# KiCad board CPU2908C.kicad_pcb (continued)
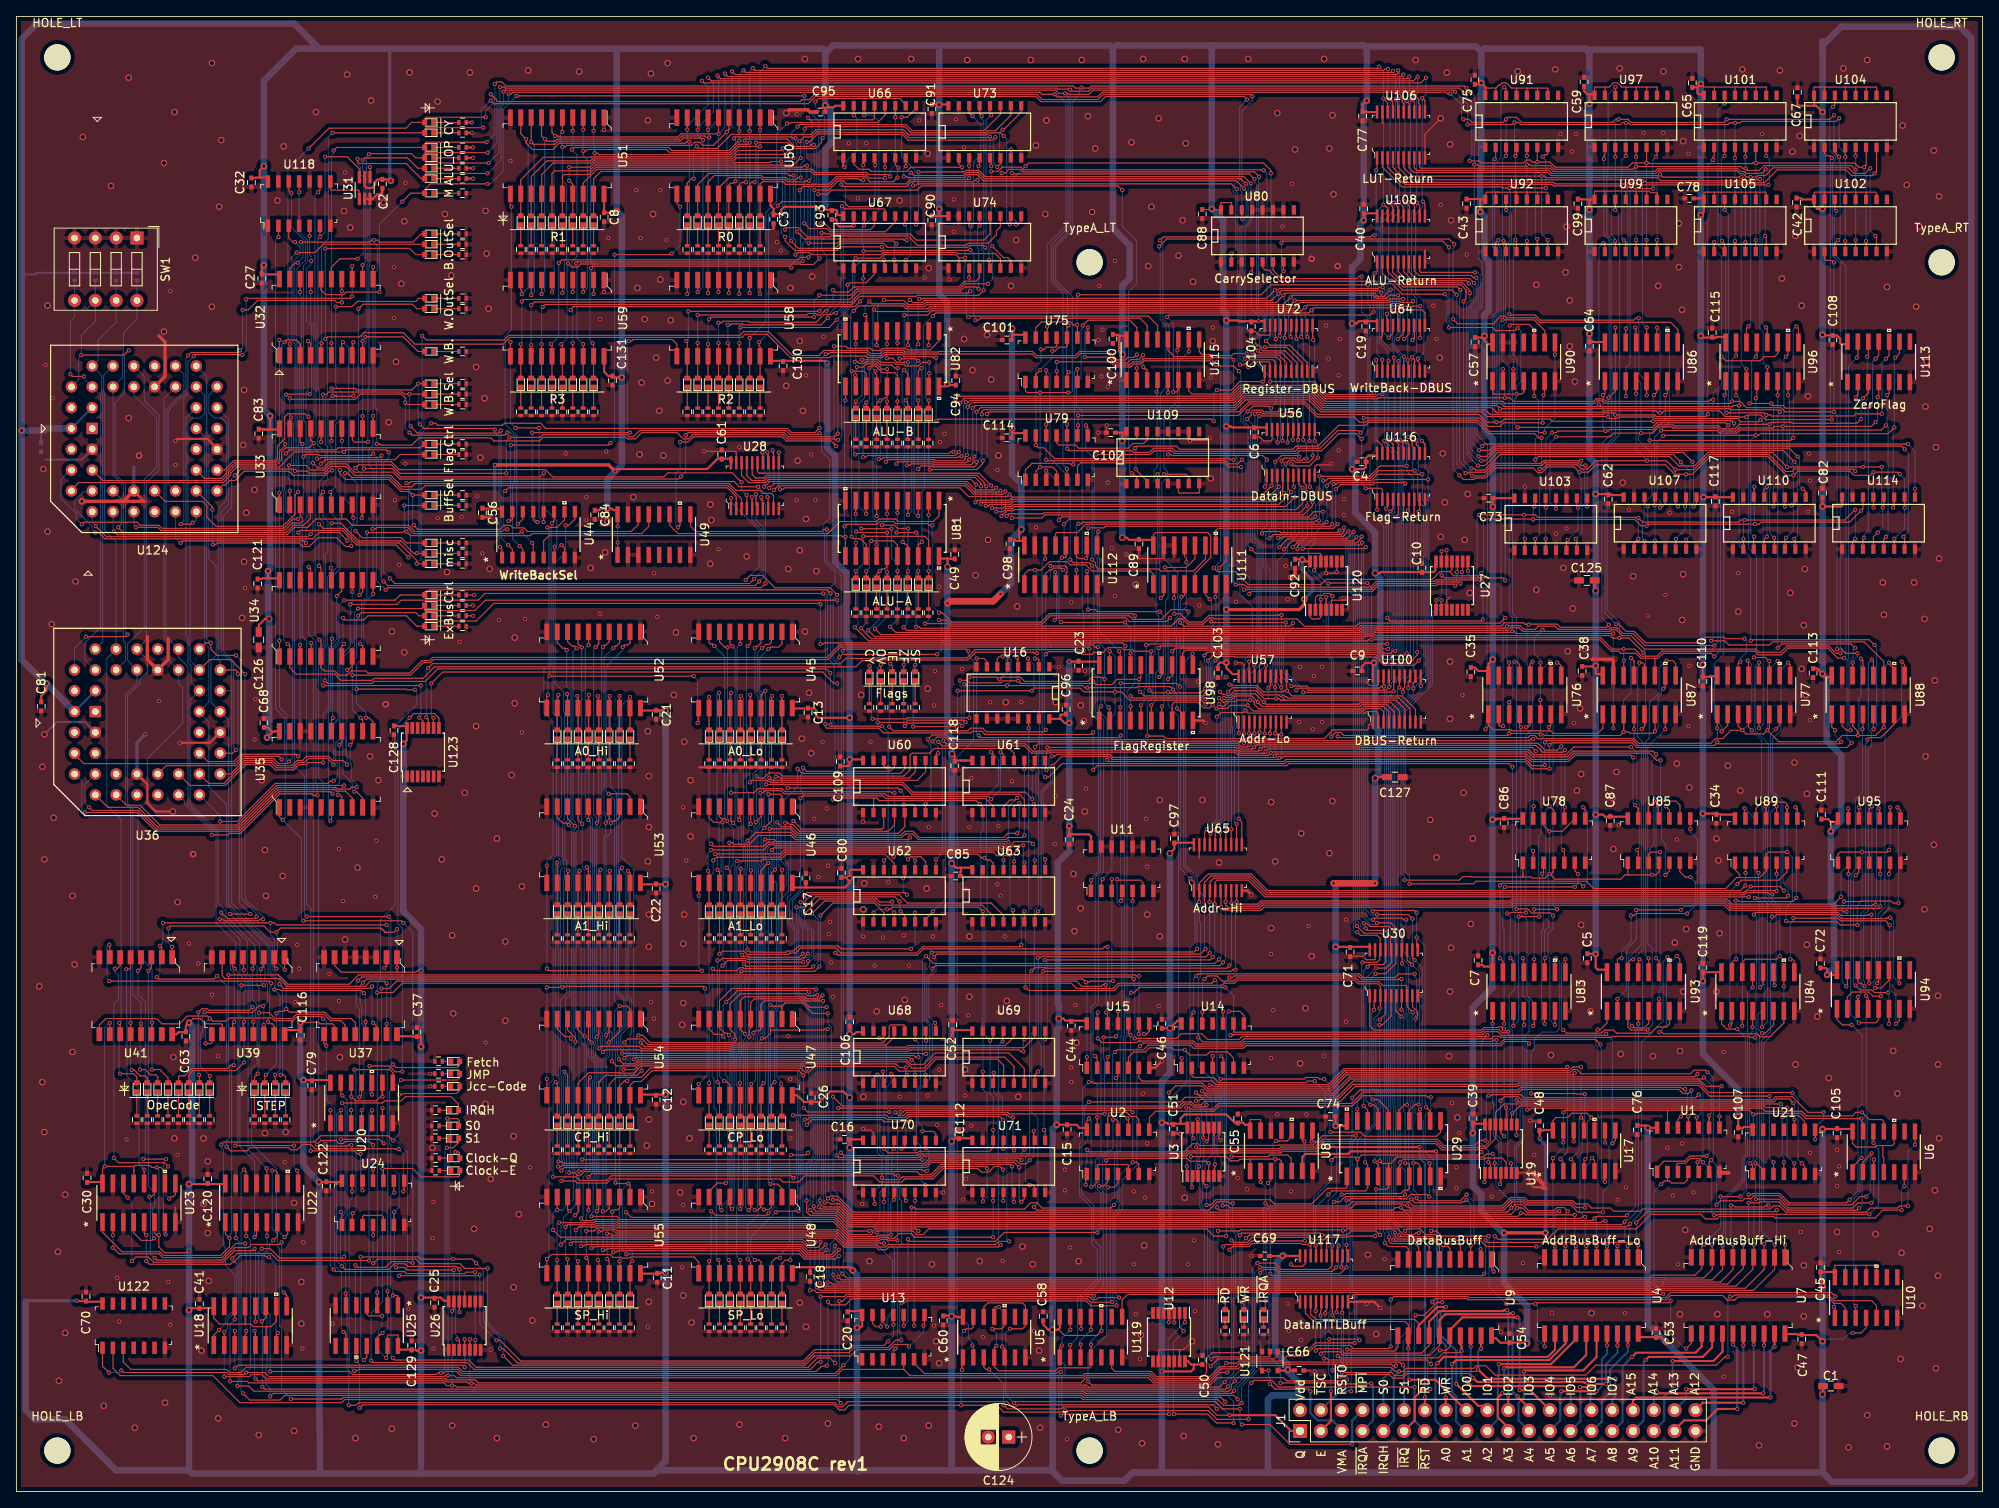
[diagram p0: board, top side]
## Routing (per net, layer and track width the routed paths; a pad name or vN(x,y) marks a point on that pad's centre or on a via; arc(x,y) is an arc through that point) (continued)
Net-(D80-Pad1): length 2.5
  Top w0.127: D80.1 66.01,89.34
Net-(D81-Pad1): length 2.5
  Top w0.127: D81.1 93.44,68
Net-(D82-Pad1): length 2.5
  Top w0.127: D82.1 92.17,68
Net-(D83-Pad1): length 2.5
  Top w0.127: D83.1 90.9,68
Net-(D84-Pad1): length 2.5
  Top w0.127: D84.1 89.63,68
Net-(D85-Pad1): length 2.5
  Top w0.127: D85.1 88.36,68
Net-(D86-Pad1): length 2.5
  Top w0.127: D86.1 87.09,68
Net-(D87-Pad1): length 2.5
  Top w0.127: D87.1 85.82,68
Net-(D88-Pad1): length 2.4
  Top w0.127: D88.1 84.55,68.13
Net-(D89-Pad1): length 2.5
  Top w0.127: D89.1 74.9,68
Net-(D90-Pad1): length 2.5
  Top w0.127: D90.1 73.63,68
Net-(D91-Pad1): length 2.5
  Top w0.127: D91.1 72.36,68
Net-(D92-Pad1): length 2.5
  Top w0.127: D92.1 71.09,68
Net-(D93-Pad1): length 2.5
  Top w0.127: D93.1 69.82,68
Net-(D94-Pad1): length 2.5
  Top w0.127: D94.1 68.55,68
Net-(D95-Pad1): length 2.5
  Top w0.127: D95.1 67.28,68
Net-(D96-Pad1): length 2.5
  Top w0.127: D96.1 66.01,68
Net-(D97-Pad1): length 2.5
  Top w0.127: D97.1 93.44,42.22
Net-(D98-Pad1): length 2.6
  Top w0.127: D98.1 92.17,42.09
Net-(D99-Pad1): length 2.5
  Top w0.127: D99.1 90.9,42.22
Net-(D100-Pad1): length 2.6
  Top w0.127: D100.1 89.63,42.09
Net-(D101-Pad1): length 2.6
  Top w0.127: D101.1 88.36,42.09
Net-(D102-Pad1): length 2.5
  Top w0.127: D102.1 87.09,42.22
Net-(D103-Pad1): length 2.6
  Top w0.127: D103.1 85.82,42.09
Net-(D104-Pad1): length 2.6
  Top w0.127: D104.1 84.55,42.09
Net-(D105-Pad1): length 2.6
  Top w0.127: D105.1 74.9,42.09
Net-(D106-Pad1): length 2.6
  Top w0.127: D106.1 73.63,42.09
Net-(D107-Pad1): length 2.6
  Top w0.127: D107.1 72.36,42.09
Net-(D108-Pad1): length 2.6
  Top w0.127: D108.1 71.09,42.09
Net-(D109-Pad1): length 2.6
  Top w0.127: D109.1 69.82,42.09
Net-(D110-Pad1): length 2.6
  Top w0.127: D110.1 68.55,42.09
Net-(D111-Pad1): length 2.5
  Top w0.127: D111.1 67.28,42.22
Net-(D112-Pad1): length 2.5
  Top w0.127: D112.1 66.01,42.22
Net-(D113-Pad1): length 2.5
  Top w0.127: D113.1 93.44,20.5
Net-(D114-Pad1): length 2.4
  Top w0.127: D114.1 92.17,20.63
Net-(D115-Pad1): length 2.6
  Top w0.127: D115.1 90.9,20.38
Net-(D116-Pad1): length 2.5
  Top w0.127: D116.1 89.63,20.5
Net-(D117-Pad1): length 2.5
  Top w0.127: D117.1 88.36,20.5
Net-(D118-Pad1): length 2.5
  Top w0.127: D118.1 87.09,20.5
Net-(D119-Pad1): length 2.5
  Top w0.127: D119.1 85.82,20.5
Net-(D120-Pad1): length 2.5
  Top w0.127: D120.1 84.55,20.5
Net-(D121-Pad1): length 2.5
  Top w0.127: D121.1 74.9,20.5
Net-(D122-Pad1): length 2.5
  Top w0.127: D122.1 73.63,20.5
Net-(D123-Pad1): length 2.5
  Top w0.127: D123.1 72.36,20.5
Net-(D124-Pad1): length 2.5
  Top w0.127: D124.1 71.09,20.5
Net-(D125-Pad1): length 2.5
  Top w0.127: D125.1 69.82,20.5
Net-(D126-Pad1): length 2.4
  Top w0.127: D126.1 68.55,20.63
Net-(D127-Pad1): length 2.5
  Top w0.127: D127.1 67.28,20.5
Net-(D128-Pad1): length 2.5
  Top w0.127: D128.1 66.01,20.5
Net-(D129-Pad1): length 2.8
  Top w0.127: D129.1 111.35,107.62
Net-(D130-Pad1): length 2.8
  Top w0.127: D130.1 110.08,107.62
Net-(D131-Pad1): length 2.8
  Top w0.127: D131.1 108.81,107.62
Net-(D132-Pad1): length 2.6
  Top w0.127: D132.1 107.54,107.75
Net-(D133-Pad1): length 2.8
  Top w0.127: D133.1 106.27,107.62
Net-(D134-Pad1): length 2.6
  Top w0.127: D134.1 105,107.75
Net-(D135-Pad1): length 2.6
  Top w0.127: D135.1 103.73,107.75
Net-(D136-Pad1): length 2.6
  Top w0.127: D136.1 102.46,107.75
Net-(D137-Pad1): length 2.6
  Top w0.127: 111.35,131.08 111.35,128.45
Net-(D138-Pad1): length 2.6
  Top w0.127: 110.08,131.08 110.08,128.45
Net-(D139-Pad1): length 2.6
  Top w0.127: 108.81,131.08 108.81,128.45
Net-(D140-Pad1): length 2.6
  Top w0.127: 107.54,131.08 107.54,128.45
Net-(D141-Pad1): length 2.8
  Top w0.127: 106.27,131.08 106.27,128.32
Net-(D142-Pad1): length 2.6
  Top w0.127: 105,131.08 105,128.45
Net-(D143-Pad1): length 2.5
  Top w0.127: 103.73,131.08 103.73,128.58
Net-(D144-Pad1): length 2.6
  Top w0.127: 102.46,131.08 102.46,128.45
Net-(D145-Pad1): length 1
  Top w0.127: D145.1 152.24,20.14
Net-(D145-Pad2): length 108
  Top w0.127: 231.75,44.16 v1(231.75,42.35) ; 169.92,35.35 169.98,35.35 ; 169.92,35.35 169.98,35.35 ; 169.92,35.35 163.03,35.35 162.53,34.85 152.77,34.85 v1(152.45,35.17) ; 169.98,35.35 170.48,34.85 181.34,34.85 182.36,35.87 184.09,35.87 184.48,35.48 189.98,35.48 190.36,35.1 191.75,35.1 192.26,34.6 194.57,34.6 194.95,34.22 198.23,34.22 198.49,34.47 214.04,34.47 214.42,34.85 215.25,34.85 216.01,34.09 225.78,34.09 226.28,34.6 229.6,34.6 229.86,34.85 v1(230.87,34.85) ; U8.2 151.86,37.79 v1(151.88,37.77) ; 152.24,22.28 152.45,22.49 v1(152.45,23.3)
  Bottom w0.127: v1(231.75,42.35) 230.87,41.47 v1(230.87,34.85) ; v1(151.88,37.77) 152.45,37.2 v1(152.45,35.17) 152.45,34.82 152.26,34.63 152.26,23.84 152.45,23.65 v1(152.45,23.3)
Net-(D146-Pad1): length 1.1
  Top w0.127: D146.1 149.83,20.01
Net-(D146-Pad2): length 54.6
  Top w0.127: D146.2 149.83,22.87 v1(149.53,23.17) ; v1(149.47,16.95) 145.96,16.95 145.28,16.27 145.28,14.54 144.77,14.03 139.15,14.03 138.51,14.66 134.1,14.66 133.7,15.06 U119.6 ; v1(148.32,40.88) 152.79,40.88 152.98,41.07 155.19,41.07 155.62,40.64 155.62,39.24
  Bottom w0.127: v1(149.47,16.95) 149.53,17.01 v1(149.53,23.17) 148.83,23.87 148.83,31.43 147.94,32.32 147.94,40.5 v1(148.32,40.88)
Net-(D147-Pad1): length 1
  Top w0.127: D147.1 147.54,20.14
Net-(D147-Pad2): length 47.1
  Top w0.127: v1(157.27,30.59) 150.79,30.59 150.35,30.15 147.56,30.15 v1(147.31,29.9) ; U8.9 156.94,42.93 157.15,42.73 v1(157.21,42.73) ; D147.2 147.54,23.06 v1(147.43,23.17) 147.43,23.52 146.9,24.06 135.62,24.06 134.97,23.41 U119.8
  Bottom w0.127: v1(147.43,23.17) 147.31,23.3 v1(147.31,29.9) ; v1(157.27,30.59) 157.27,42.67 v1(157.21,42.73)
Net-(D148-Pad1): length 2.9
  Top w0.127: D148.1 32.86,45.9
Net-(D149-Pad1): length 2.9
  Top w0.127: D149.1 31.59,45.9
Net-(D150-Pad1): length 2.9
  Top w0.127: D150.1 30.32,45.9
Net-(D151-Pad1): length 2.9
  Top w0.127: D151.1 29.05,45.9
Net-(D152-Pad1): length 2.9
  Top w0.127: D152.1 23.59,45.9
Net-(D153-Pad1): length 2.9
  Top w0.127: D153.1 22.32,45.9
Net-(D154-Pad1): length 2.9
  Top w0.127: D154.1 21.05,45.9
Net-(D155-Pad1): length 3
  Top w0.127: D155.1 19.78,45.78
Net-(D156-Pad1): length 2.9
  Top w0.127: D156.1 18.51,45.9
Net-(D157-Pad1): length 2.9
  Top w0.127: D157.1 17.24,45.9
Net-(D158-Pad1): length 2.9
  Top w0.127: D158.1 15.97,45.9
Net-(D159-Pad1): length 2.8
  Top w0.127: D159.1 14.7,46.03
Net-(D160-Pad1): length 1.4
  Top w0.127: D160.1 51.67,40.69
Net-(D161-Pad1): length 1.4
  Top w0.127: D161.1 51.67,39.17
Net-(D182-Pad1): length 0.9
  Top w0.127: R187.2 52.93,50.98
Net-(D183-Pad1): length 1.1
  Top w0.127: R188.2 53.06,49.46
Net-(D184-Pad1): length 1.2
  Top w0.127: D184.1 51.66,46.54
Net-(D184-Pad2): length 264.4
  Top w0.127: v1(146.54,10.09) 146.04,10.59 122.23,10.59 121.99,10.35 121.57,10.35 120.94,10.98 101.47,10.98 100.84,10.35 100.42,10.35 99.92,10.85 41.77,10.85 41.46,10.54 v1(40.57,10.54) ; v1(189.72,40.57) 189.73,40.57 190.09,40.21 U17.3 ; v1(39.74,47.43) 44.67,47.43 44.93,47.68 46.98,47.68 47.48,48.19 53.07,48.19 53.96,47.3 53.96,46.66 ; U25.6 40.23,24.14 v1(40.19,24.19) ; U17.11 191.36,45.28 v1(190.99,45.65) ; v1(145.66,49.58) 146.01,49.58 146.2,49.39 160.2,49.39 162.17,51.36 189.53,51.36 189.98,51.81 v1(190.98,51.81)
  Bottom w0.127: v1(189.72,40.57) 190.74,41.59 190.74,45.4 v1(190.99,45.65) 190.98,45.66 v1(190.98,51.81) ; v1(40.57,10.54) 40.57,14.85 40.37,15.04 40.37,23.64 40.19,23.83 v1(40.19,24.19) 40.19,27.78 39.55,28.42 39.55,33.4 39.74,33.58 39.75,33.58 40.12,33.95 40.12,47.04 v1(39.74,47.43) ; v1(145.66,49.58) 146.42,48.82 146.42,43.87 146.01,43.46 146.01,41.19 145.09,40.27 145.09,38.34 145.71,37.71 145.71,17.01 146.29,16.44 146.29,10.34 v1(146.54,10.09)
Net-(D185-Pad1): length 1.1
  Top w0.127: R190.2 53.06,52.51
Net-(R170-Pad2): length 1.2
  Top w0.127: S0.1 51.66,44.63
Net-(R171-Pad2): length 1.2
  Top w0.127: S1.1 51.66,43.11
Net-(U1-Pad3): length 41.6
  Top w0.127: 202.66,38.88 202.66,39.92 202.81,40.06 203.72,40.06 204.29,40.63 205.41,40.63 v1(205.85,40.19) ; v1(207.25,33.71) 207.6,33.71 207.73,33.84 215.91,33.84 v1(226.17,33.84) ; U6.12 226.66,42.57
  Bottom w0.127: v1(205.85,40.19) 206.94,39.1 206.94,34.02 v1(207.25,33.71) ; v1(226.17,33.84) 227.32,34.98 227.32,41.79 226.94,42.17 226.94,42.3 v1(226.67,42.56)
Net-(U1-Pad5): length 83.1
  Top w0.127: v1(205.2,50.97) 204.83,50.6 162.69,50.6 160.71,48.63 144.98,48.63 v1(144.73,48.88) ; v1(205.2,40.19) 205.2,38.92 ; 145.53,44.41 145.53,42.98 v1(145.27,42.73)
  Bottom w0.127: v1(205.2,50.97) 205.2,50.36 205.85,49.71 205.85,40.84 v1(205.2,40.19) ; v1(145.27,42.73) 145.52,42.98 145.52,43.74 145.91,44.12 145.91,44.38 ; 145.91,44.38 145.91,47.7 v1(144.73,48.88) ; 145.91,44.38 145.91,44.15
Net-(U1-Pad6): length 160.6
  Top w0.127: v1(128.64,17.9) 128.64,15.82 128.62,15.8 ; v1(130.92,49.97) 131.28,49.97 131.41,49.83 144.75,49.83 145.45,49.14 160.3,49.14 162.28,51.11 189.64,51.11 190.03,51.5 190.47,51.5 190.99,50.98 204.33,50.98 204.77,51.42 206.17,51.42 v1(206.42,51.17) ; v1(206.87,40.44) 206.62,40.19 206.62,39.01 ; v1(226.45,41.28) 225.4,40.22 U6.2 ; v1(225.79,36) 225.03,36 224.01,34.98 216.27,34.98 215.13,36.12 212.09,36.12 211.71,35.74 210.93,35.74 210.67,35.48 208.01,35.48 v1(207.5,34.98)
  Bottom w0.127: v1(207.5,34.98) 207.5,39.81 v1(206.87,40.44) 207.12,40.69 207.12,50.47 v1(206.42,51.17) ; v1(130.92,49.97) 130.16,49.2 130.16,42.85 129.78,42.47 129.78,36.12 131.24,34.66 131.24,30.21 131.94,29.52 131.94,25.96 129.53,23.55 129.53,18.79 v1(128.64,17.9) ; v1(225.79,36) 226.29,36.49 226.29,40.76 226.45,40.93 v1(226.45,41.28)
Net-(U1-Pad8): length 115.5
  Top w0.127: U1.8 v1(207.88,45.78) ; v1(129.97,19.87) 129.97,21.32 129.89,21.39 ; v1(208.14,49.46) 206.23,49.46 205.6,50.09 163.18,50.09 161.21,48.12 142.67,48.12 142.1,47.55 v1(130.92,47.55)
  Bottom w0.127: v1(129.97,19.87) 129.97,23.48 132.32,25.84 132.32,29.9 131.5,30.72 131.5,34.91 130.04,36.37 130.04,42.1 130.8,42.85 130.8,44.63 130.41,45.02 130.41,47.04 v1(130.92,47.55) ; v1(208.14,49.46) 207.88,49.2 v1(207.88,45.78)
Net-(U1-Pad10): length 77.3
  Top w0.127: v1(205.34,48.44) 204.96,48.06 184.01,48.06 183.64,48.43 180.16,48.43 180.04,48.31 v1(179.69,48.31) ; v1(144,42.02) 144.18,41.84 154.16,41.84 154.35,42.03 158.47,42.03 159.41,42.98 173.47,42.98 174.23,42.22 178.04,42.22 178.68,42.85 v1(179.31,42.85) ; 205.2,44.28 205.09,44.4 v1(205.09,45.65) ; 144.18,44.19 v1(144.18,45.45)
  Bottom w0.127: v1(205.34,48.44) 205.6,48.19 205.6,46.16 v1(205.09,45.65) ; v1(179.69,48.31) 179.43,48.05 179.43,42.97 v1(179.31,42.85) ; v1(144,42.02) 144,42.37 144.13,42.5 144.13,45.04 144.18,45.09 v1(144.18,45.45)
Net-(U1-Pad11): length 76
  Top w0.127: v1(142.8,46.85) 143.16,46.85 143.34,46.66 146.04,46.66 146.74,47.36 162.99,47.36 164.38,48.76 183.43,48.76 183.75,49.07 202.94,49.07 203.44,48.57 204.08,48.57 v1(204.46,48.95) ; U1.11 v1(204.07,45.78) ; 142.84,38.66 142.86,38.68 v1(142.86,39.68)
  Bottom w0.127: v1(142.86,39.68) 142.86,46.79 v1(142.8,46.85) ; v1(204.46,48.95) 204.46,46.16 v1(204.07,45.78)
Net-(U2-Pad8): length 106.6
  Top w0.127: v1(172.69,31.8) 173.35,31.8 173.98,31.17 v1(179.69,31.17) ; v1(201.92,23.3) 201.66,23.04 185.53,23.04 v1(185.41,22.91) v1(181.85,22.91) ; v1(186.55,17.71) 186.53,17.72 U4.11 ; U7.11 204.44,18.07 v1(203.82,17.45) ; v1(172.64,48.12) 172.29,48.12 172.1,48.31 164.3,48.31 163.04,47.05 146.79,47.05 146.15,46.41 139.05,46.41 138.29,45.65 138.29,44.38
  Bottom w0.127: v1(186.55,17.71) 185.66,18.6 185.66,22.66 v1(185.41,22.91) ; v1(181.85,22.91) 179.75,25.01 179.75,31.11 v1(179.69,31.17) ; v1(172.69,31.8) 172.94,32.05 172.94,40.46 171.97,41.43 171.97,45.93 172.64,46.6 v1(172.64,48.12) ; v1(203.82,17.45) 203.69,17.45 201.92,19.23 v1(201.92,23.3)
Net-(U2-Pad11): length 79.3
  Top w0.127: v1(162.42,13.64) 161.91,13.64 161.78,13.52 155.05,13.52 154.67,13.9 146.61,13.9 145.72,13.01 131.24,13.01 v1(130.8,13.46) ; v1(162.42,17.34) 162.78,17.34 162.96,17.15 168.18,17.15 168.63,17.6 U9.11 ; v1(133.85,45.39) 134.22,45.39 134.46,45.16 U2.11
  Bottom w0.127: v1(162.42,17.34) 162.42,13.65 v1(162.42,13.64) ; v1(130.8,13.46) 130.8,16.81 133.08,19.1 133.08,36.61 132.61,37.09 132.61,37.49 132.58,37.51 132.58,40.63 133.85,41.89 v1(133.85,45.39)
Net-(U5-Pad11): length 8.2
  Top w0.127: U5.11 119.35,22.39 119.49,22.53 v1(119.9,22.53) ; U5.5 120.62,17.48 120.4,17.7 v1(120.32,17.7)
  Bottom w0.127: v1(119.9,22.53) 120.32,22.11 v1(120.32,17.7)
Net-(U10-Pad1): length 113.5
  Top w0.127: v1(148.58,8.38) 146.48,8.38 145.4,9.45 v1(141.29,9.45) ; v1(142.48,19.61) 141.97,20.12 141.97,21.52 ; 155.96,16.54 155.07,16.54 154.46,15.93 149.23,15.93 148.98,15.68 v1(147.69,15.68) ; 155.96,16.54 157.3,16.54 158.59,17.84 162.8,17.84 163.18,17.45 167.5,17.45 v1(167.75,17.71) ; 155.96,16.54 156.17,16.54 ; v1(221.85,22.53) 221.97,22.42 U10.1 ; v1(222.02,23.83) 221.54,24.3 201.93,24.3 201.3,23.68 177.28,23.68 177.16,23.8 168.13,23.8 v1(167.75,23.42)
  Bottom w0.127: v1(221.85,22.53) 221.85,23.67 v1(222.02,23.83) ; v1(142.48,19.61) 142.48,19.49 141.21,18.22 141.21,9.54 ; v1(167.75,23.42) v1(167.75,17.71) ; v1(147.69,15.68) 147.05,15.04 147.05,12.5 148.58,10.98 v1(148.58,8.38)
Net-(U11-Pad4): length 50.6
  Top w0.127: v1(117.46,92.26) 117.72,92 134.55,92 v1(134.8,92.26) ; U11.4 134.97,72.23 v1(134.8,72.06) ; v1(117.21,101.66) 118.09,101.66 118.46,101.29 U16.7
  Bottom w0.127: v1(134.8,72.06) v1(134.8,92.26) ; v1(117.21,101.66) 117.21,92.51 v1(117.46,92.26)
Net-(U11-Pad5): length 191.3
  Top w0.127: U11.5 v1(136.24,72.06) ; v1(179.68,40.19) 179.93,39.93 179.93,38.41 ; U20.11 42.13,48.37 v1(41.88,48.12) ; v1(179.55,55.68) 179.41,55.55 149.62,55.55 149.25,55.17 145.38,55.17 144.68,55.87 142.16,55.87 141.59,55.3 v1(136.51,55.3) ; v1(41.72,62.36) 42.16,62.79 136.13,62.79 v1(136.38,62.54)
  Bottom w0.127: v1(136.51,55.3) 136.51,61.78 136.38,61.9 v1(136.38,62.54) 136.24,62.68 v1(136.24,72.06) ; v1(179.68,40.19) 179.68,41.6 178.8,42.47 178.8,54.94 v1(179.55,55.68) ; v1(41.72,62.36) 41.47,62.11 41.47,59.28 41.88,58.87 v1(41.88,48.12)
Net-(U11-Pad6): length 86.4
  Top w0.127: v1(134.35,74.73) 134.48,74.6 137.18,74.6 137.51,74.27 U11.6 ; U13.9 109.57,20.26 v1(109.59,20.25) ; v1(133.97,34.98) 133.59,34.6 125.21,34.6 124.58,35.23 123.8,35.23 123.04,34.47 109.8,34.47 109.61,34.66 v1(109.26,34.66)
  Bottom w0.127: 134.73,54.03 134.73,55.43 134.86,55.55 134.86,58.33 134.92,58.39 134.92,71.29 134.35,71.86 v1(134.35,74.73) ; 134.73,54.03 134.73,41.58 ; 134.73,54.03 134.73,54.28 ; v1(109.59,20.25) 109.59,30.93 109.26,31.26 v1(109.26,34.66) ; v1(133.97,34.98) 134.35,35.36 134.35,41.22 134.73,41.61
Net-(U12-Pad1): length 50.9
  Top w0.127: v1(127.49,9.27) 127.68,9.45 v1(140.67,9.45) ; U13.6 109.57,15.68 110.84,14.41 126.95,14.41 127.14,14.59 v1(127.49,14.59) ; U12.1 v1(142.64,20.66)
  Bottom w0.127: v1(127.49,14.59) 127.24,14.34 127.24,9.52 v1(127.49,9.27) ; 140.57,9.55 140.57,18.6 v1(142.64,20.66)
Net-(U12-Pad3): length 52.1
  Top w0.127: U12.3 v1(141.34,20.63) ; U14.6 148.56,52.9 147.81,53.65 145.66,53.65 145.27,53.27 143.24,53.27 v1(142.61,53.9) 141.28,53.9 141.02,54.16 138.29,54.16 137.78,53.65 136.38,53.65 135.73,53 U15.5
  Bottom w0.127: v1(141.34,20.63) 140.96,21.01 140.96,48.06 142.86,49.96 142.86,53.65 v1(142.61,53.9)
Net-(U12-Pad4): length 89.8
  Top w0.127: v1(190.21,51.06) 190,50.85 162.38,50.85 160.41,48.88 145.35,48.88 144.71,49.52 141.51,49.52 v1(140.69,48.7) ; v1(140.67,20.66) 140.67,21.63 140.69,21.65 ; U17.12 190.09,42.74 v1(190.1,42.73)
  Bottom w0.127: v1(140.69,48.7) 140.69,20.68 v1(140.67,20.66) ; v1(190.21,51.06) 190.1,50.95 v1(190.1,42.73)
Net-(U13-Pad4): length 156.3
  Top w0.127: v1(148.19,55.68) 148.55,55.68 148.67,55.8 179.02,55.8 179.34,56.12 180.83,56.12 181.27,55.68 193.86,55.68 v1(194.04,55.87) ; v1(107.94,46.34) 108.29,46.34 108.48,46.54 121.1,46.54 121.1,46.53 136.01,46.53 v1(136.26,46.28) ; U17.8 195.17,42.84 v1(194.8,42.47) ; v1(147.56,61.52) 137.06,61.52 136.42,60.89 v1(136.07,60.89) ; v1(107.3,17.45) 107.03,17.18 U13.4 ; U15.10 135.73,55.95 v1(136,55.68)
  Bottom w0.127: 107.81,36.63 107.81,36.76 ; 107.81,36.76 107.16,37.41 107.16,38.76 107.56,39.16 107.56,45.55 107.94,45.93 v1(107.94,46.34) ; 107.81,36.76 107.81,35.74 108.06,35.49 108.06,31 108.06,30.28 107.55,29.77 107.55,17.7 v1(107.3,17.45) ; v1(136.07,60.89) 135.82,60.64 135.82,56.22 136,56.03 v1(136,55.68) 136,46.54 v1(136.26,46.28) ; v1(194.04,55.87) 194.8,55.11 v1(194.8,42.47) ; v1(148.19,55.68) 148.57,56.06 148.57,60.51 v1(147.56,61.52)
Net-(U13-Pad8): length 86.7
  Top w0.127: v1(108.95,17.71) 108.7,17.96 107.17,17.96 106.53,17.32 102.6,17.32 101.84,16.56 97.39,16.56 96.25,15.42 60.56,15.42 v1(59.42,16.56) ; v1(43.55,31.3) 43.53,31.31 U24.4 ; v1(110.73,20.25) 110.84,20.36 110.84,21.55 ; v1(43.57,27.85) 44.08,28.37 48.76,28.37 49.32,27.81 54.14,27.81 54.72,27.23 v1(57.52,27.23)
  Bottom w0.127: v1(110.73,20.25) 110.73,19.49 v1(108.95,17.71) ; v1(59.42,16.56) 59.42,17.07 59.55,17.2 59.55,18.59 57.52,20.62 v1(57.52,27.23) ; v1(43.57,27.85) 43.55,27.88 v1(43.55,31.3)
Net-(U13-Pad10): length 133.5
  Top w0.127: v1(181.09,37.52) 181.2,37.63 U19.4 ; v1(132,55.3) 132.51,54.79 136.76,54.79 136.95,54.98 141.12,54.98 143.69,54.98 144.06,54.61 149.55,54.61 149.87,54.92 180.11,54.92 180.29,55.11 v1(180.65,55.11) ; v1(108.32,20.25) 108.3,20.26 U13.10 ; v1(132,58.47) 131.92,58.4 U15.13 ; v1(131.94,31.62) 120.58,31.62 119.5,30.54 109.07,30.54 v1(108.83,30.79)
  Bottom w0.127: v1(180.65,55.11) 180.65,43.55 181.22,42.98 181.22,38.54 181.09,38.42 v1(181.09,37.52) ; v1(132,58.47) v1(132,55.3) 132.38,54.92 132.38,41.15 131.7,40.47 131.7,37.09 132.38,36.41 132.38,32.06 v1(131.94,31.62) ; v1(108.83,30.79) 108.83,20.76 v1(108.32,20.25)
Net-(U13-Pad12): length 70.5
  Top w0.127: v1(132.82,46.09) 121.19,46.09 121,46.28 108.7,46.28 108.32,45.9 107.68,45.9 v1(107.3,46.28) ; U15.11 134.46,58.59 v1(134.48,58.6) ; v1(132.7,55.43) 134.1,55.43 v1(134.22,55.55) ; v1(106.28,20.12) 105.76,20.65 105.76,21.55
  Bottom w0.127: v1(134.48,58.6) 134.48,55.81 v1(134.22,55.55) ; v1(107.3,46.28) 106.41,45.39 106.41,31.7 106.28,31.57 106.28,30.56 107.17,29.66 107.17,21.91 106.28,21.02 v1(106.28,20.12) ; v1(132.7,55.43) 132.7,52.85 132.82,52.74 v1(132.82,46.09)
Net-(U13-Pad13): length 89.3
  Top w0.127: v1(147.69,31.17) 146.16,31.17 145.27,32.06 111.37,32.06 110.67,31.36 109.88,31.36 109.44,31.8 105.19,31.8 v1(105.01,31.62) ; v1(148.01,58.6) 149.34,58.6 149.83,58.11 U14.8 ; U13.13 104.49,20.52 104.89,20.12 v1(105.52,20.12)
  Bottom w0.127: v1(105.01,31.62) 105.01,30.16 106.92,28.25 106.92,22.02 105.52,20.62 v1(105.52,20.12) ; v1(147.69,31.17) 147.69,58.28 v1(148.01,58.6)
Net-(U14-Pad9): length 52.3
  Top w0.127: 148.58,56.95 148.58,56.19 148.71,56.05 178.91,56.05 179.23,56.38 180.93,56.38 181.32,55.99 181.98,55.99 v1(182.1,56.12) ; U19.6 182.5,39.99 v1(182.43,40.06)
  Bottom w0.127: 182.36,40.06 182.03,40.39 182.03,43.14 182.04,43.15 182.04,43.57 182.03,43.58 182.03,46.39 182.34,46.7 182.34,55.53 182.1,55.77 v1(182.1,56.12)
Net-(U15-Pad6): length 68
  Top w0.127: U15.6 137,50.49 137.4,50.09 145.91,50.09 146.36,49.64 160.09,49.64 162.07,51.62 189.13,51.62 v1(189.33,51.81) ; U17.2 188.82,40.21 188.46,40.57 v1(188.45,40.57)
  Bottom w0.127: v1(188.45,40.57) 189.33,41.44 v1(189.33,51.81)
Net-(U15-Pad8): length 174.8
  Top w0.127: U23.1 10.51,31.65 12.9,29.27 17.51,29.27 17.97,28.81 24.93,28.81 26.02,29.9 v1(26.02,30.92) 25.51,31.42 25.51,32.57 ; v1(25.89,63.05) 31.99,63.05 33.13,61.9 40.63,61.9 41.77,63.05 136.54,63.05 136.67,62.92 v1(137.02,62.92) ; U15.8 138.27,56.17 137.91,55.81 v1(137.65,55.81)
  Bottom w0.127: v1(137.65,55.81) 137.02,56.44 v1(137.02,62.92) ; v1(26.02,30.92) 26.02,31.27 26.27,31.52 26.27,51.66 25.89,52.04 v1(25.89,63.05)
Net-(U15-Pad12): length 120
  Top w0.127: v1(132.96,61.84) 132.6,61.84 132.42,61.65 130.03,61.65 129.4,62.28 46.41,62.28 45.52,61.4 v1(44.56,61.4) ; v1(133.02,58.47) 133.19,58.3 U15.12 ; v1(44.69,48.19) 44.69,50.47 44.67,50.49 ; 40.88,49.59 v1(40.88,48.19) 41.39,47.68 43.93,47.68 44.69,48.44 44.69,49.97 ; U20.3 v1(40.86,46.54)
  Bottom w0.127: v1(44.69,48.19) 44.56,48.31 v1(44.56,61.4) ; v1(133.02,58.47) 133.02,61.77 v1(132.96,61.84) ; v1(40.86,46.54) 40.86,48.2 v1(40.88,48.19)
Net-(U18-Pad3): length 39.3
  Top w0.127: U18.3 26.64,19.6 v1(26.66,19.61) ; U26.4 v1(54.71,18.58) ; v1(54.72,15.17) 54.47,15.43 27.04,15.43 v1(26.66,15.04)
  Bottom w0.127: v1(26.66,19.61) v1(26.66,15.04) ; v1(54.72,15.17) 54.72,18.56 v1(54.71,18.58)
Net-(U19-Pad8): length 43.1
  Top w0.127: v1(183.11,47.74) 183.3,47.55 214.49,47.55 214.86,47.93 216.4,47.93 v1(216.9,47.43) ; v1(217.03,45.39) 217.01,45.38 U21.10 ; v1(183.1,43.49) 183.1,44.76
  Bottom w0.127: v1(183.11,47.74) 183.1,47.73 v1(183.1,43.49) ; v1(217.03,45.39) 217.03,47.3 v1(216.9,47.43)
Net-(U19-Pad10): length 32.3
  Top w0.127: v1(181.57,56.45) 181.32,56.7 180.96,56.7 180.89,56.63 179.13,56.63 178.82,56.32 165.73,56.32 165.19,56.85 U30.1 ; v1(181.85,46.86) 181.85,46.86 181.85,44.79
  Bottom w0.127: v1(181.57,56.45) 181.6,56.42 181.6,47.11 v1(181.85,46.86)
Net-(U19-Pad11): length 51.8
  Top w0.127: v1(181.16,47.71) 181.62,48.18 183.32,48.18 183.69,47.81 214.38,47.81 214.76,48.18 216.78,48.18 218.68,46.28 v1(220.59,46.28) ; U21.8 v1(219.55,42.98) ; v1(181.6,43.36) 181.2,43.76 U19.11
  Bottom w0.127: v1(181.6,43.36) 181.16,43.8 v1(181.16,47.71) ; v1(220.59,46.28) 220.59,45.39 219.55,44.36 v1(219.55,42.98)
Net-(U19-Pad12): length 228.3
  Top w0.127: v1(100.12,41.01) 100.38,40.75 110.15,40.75 110.34,40.95 142.78,40.95 143.16,41.32 154.36,41.32 154.56,41.52 158.68,41.52 159.62,42.47 173.24,42.47 174.01,41.7 178.4,41.7 178.59,41.9 179.37,41.9 180.58,43.11 180.58,44.49 ; v1(100.19,109.4) 99.3,110.29 92.57,110.29 91.06,111.8 89.57,111.8 v1(89.01,111.24) ; v1(215.36,47.3) 181.58,47.3 180.55,46.27 U19.12 ; v1(87.23,121.21) 87.22,121.19 U28.1 ; U21.9 218.28,45.16 217.54,45.9 216.11,45.9 215.9,45.69 v1(215.55,45.69) ; U21.4 v1(215.74,40.19)
  Bottom w0.127: v1(87.23,121.21) 87.23,120.73 90.66,117.3 90.66,112.89 v1(89.01,111.24) ; v1(215.74,40.19) 215.74,40.71 215.55,40.9 v1(215.55,45.69) 215.55,47.11 v1(215.36,47.3) ; v1(100.12,41.01) 100.12,44.77 100.95,45.6 100.95,100.62 99.68,101.89 99.68,108.89 v1(100.19,109.4)
Net-(U20-Pad1): length 48
  Top w0.127: 56.01,17.3 v1(56.01,18.48) ; v1(38.72,27.11) 38.97,26.86 47.35,26.86 47.61,26.6 54.72,26.6 54.91,26.78 v1(55.99,26.78) ; v1(38.34,46.54) 38.34,45.14
  Bottom w0.127: v1(55.99,26.78) 56.01,26.77 v1(56.01,18.48) ; v1(38.72,27.11) 38.34,27.49 v1(38.34,46.54)
Net-(U20-Pad2): length 42.4
  Top w0.127: U26.12 54.06,21.93 v1(54.09,21.9) ; v1(39.74,27.49) 40.11,27.11 45.44,27.11 46.13,27.8 47.42,27.8 47.75,27.48 53.71,27.48 v1(54.09,27.11) ; v1(39.61,46.54) 39.61,45.27
  Bottom w0.127: v1(54.09,27.11) v1(54.09,21.9) ; v1(39.61,46.54) 39.1,46.03 39.1,28.12 v1(39.74,27.49)
Net-(U20-Pad6): length 22.1
  Top w0.127: U24.1 39.72,33.98 v1(39.61,34.09) ; v1(44.82,42.48) 44.33,42.98 v1(39.61,42.98) ; U20.6 44.67,46.78 v1(44.69,46.79)
  Bottom w0.127: v1(39.61,34.09) v1(39.61,42.98) ; v1(44.82,42.48) 44.69,42.62 v1(44.69,46.79)
Net-(U20-Pad8): length 25
  Top w0.127: U24.2 40.99,33.89 v1(41.07,33.96) ; 45.96,50.22 45.96,51.11 45.58,51.49 v1(41.26,51.49)
  Bottom w0.127: v1(41.26,51.49) 41.26,51.14 41.43,50.97 41.43,34.33 v1(41.07,33.96)
Net-(U21-Pad3): length 240
  Top w0.127: v1(45.96,23.93) 46.47,23.93 46.58,23.82 46.58,22.15 ; v1(99.94,15.68) 99.3,16.31 97.78,16.31 96.63,15.17 56.25,15.17 ; 56.25,15.17 56.11,15.17 55.23,16.05 46.2,16.05 v1(45.94,16.31) ; 56.25,15.17 56.75,15.17 ; v1(46.13,36.5) 46.07,36.56 U24.9 ; U21.3 v1(214.47,40.19) ; v1(213.98,48.26) 206.67,48.26 205.35,49.58 183.43,49.58 183.3,49.45 163.43,49.45 161.59,47.61 145.06,47.61 144.62,47.17 143.79,47.17 143.42,47.55 142.45,47.55 141.95,47.05 100.82,47.05 v1(99.68,48.19)
  Bottom w0.127: v1(213.98,48.26) 213.98,40.68 v1(214.47,40.19) ; v1(46.13,36.5) 45.69,36.06 45.69,24.94 45.96,24.67 v1(45.96,23.93) 45.71,23.68 45.71,16.55 v1(45.94,16.31) ; v1(99.68,48.19) 99.68,36.88 100.19,36.38 100.19,31.04 99.35,30.2 99.35,29.32 99.17,29.14 99.17,26.33 99.94,25.57 v1(99.94,15.68)
Net-(U21-Pad6): length 94.2
  Top w0.127: v1(216.78,48.62) 216.7,48.7 206.59,48.7 205.45,49.83 183.33,49.83 183.2,49.7 163.16,49.7 161.32,47.87 144.54,47.87 144.36,47.68 v1(144,47.68) ; U21.6 218.28,39.69 v1(217.92,40.06) ; 144.36,39.53 144.23,39.39 U3.3
  Bottom w0.127: v1(144,47.68) 144.62,47.06 144.62,45.23 144.59,45.2 144.59,43.58 144.43,43.42 144.43,42.99 144.51,42.91 144.51,40.95 144.36,40.8 v1(144.36,39.68) ; v1(216.78,48.62) 217.48,47.92 217.48,40.5 v1(217.92,40.06)
Net-(U24-Pad3): length 4.7
  Top w0.127: U24.5 44.8,33.47 44.56,33.71 42.42,33.71 42.26,33.55 U24.3
Net-(U24-Pad11): length 74.8
  Top w0.127: 35.91,102.16 35.99,102.24 v1(35.99,103.56) ; v1(36.69,42.35) 37.2,42.85 38.98,42.85 39.36,42.47 39.86,42.47 40.12,42.73 43.1,42.73 v1(43.55,42.28) ; U24.11 v1(43.53,39.3)
  Bottom w0.127: v1(35.99,103.56) 36.24,103.31 36.24,42.8 v1(36.69,42.35) ; v1(43.55,42.28) 43.53,42.26 v1(43.53,39.3)
Net-(U27-Pad2): length 102.4